# KiCad board Mu-cyberdeck-carrier.kicad_pcb
title: Cyberdeck Carrier for LattePanda Mu; date: 2025-02-12; rev: V1.0.0; note: 20250212
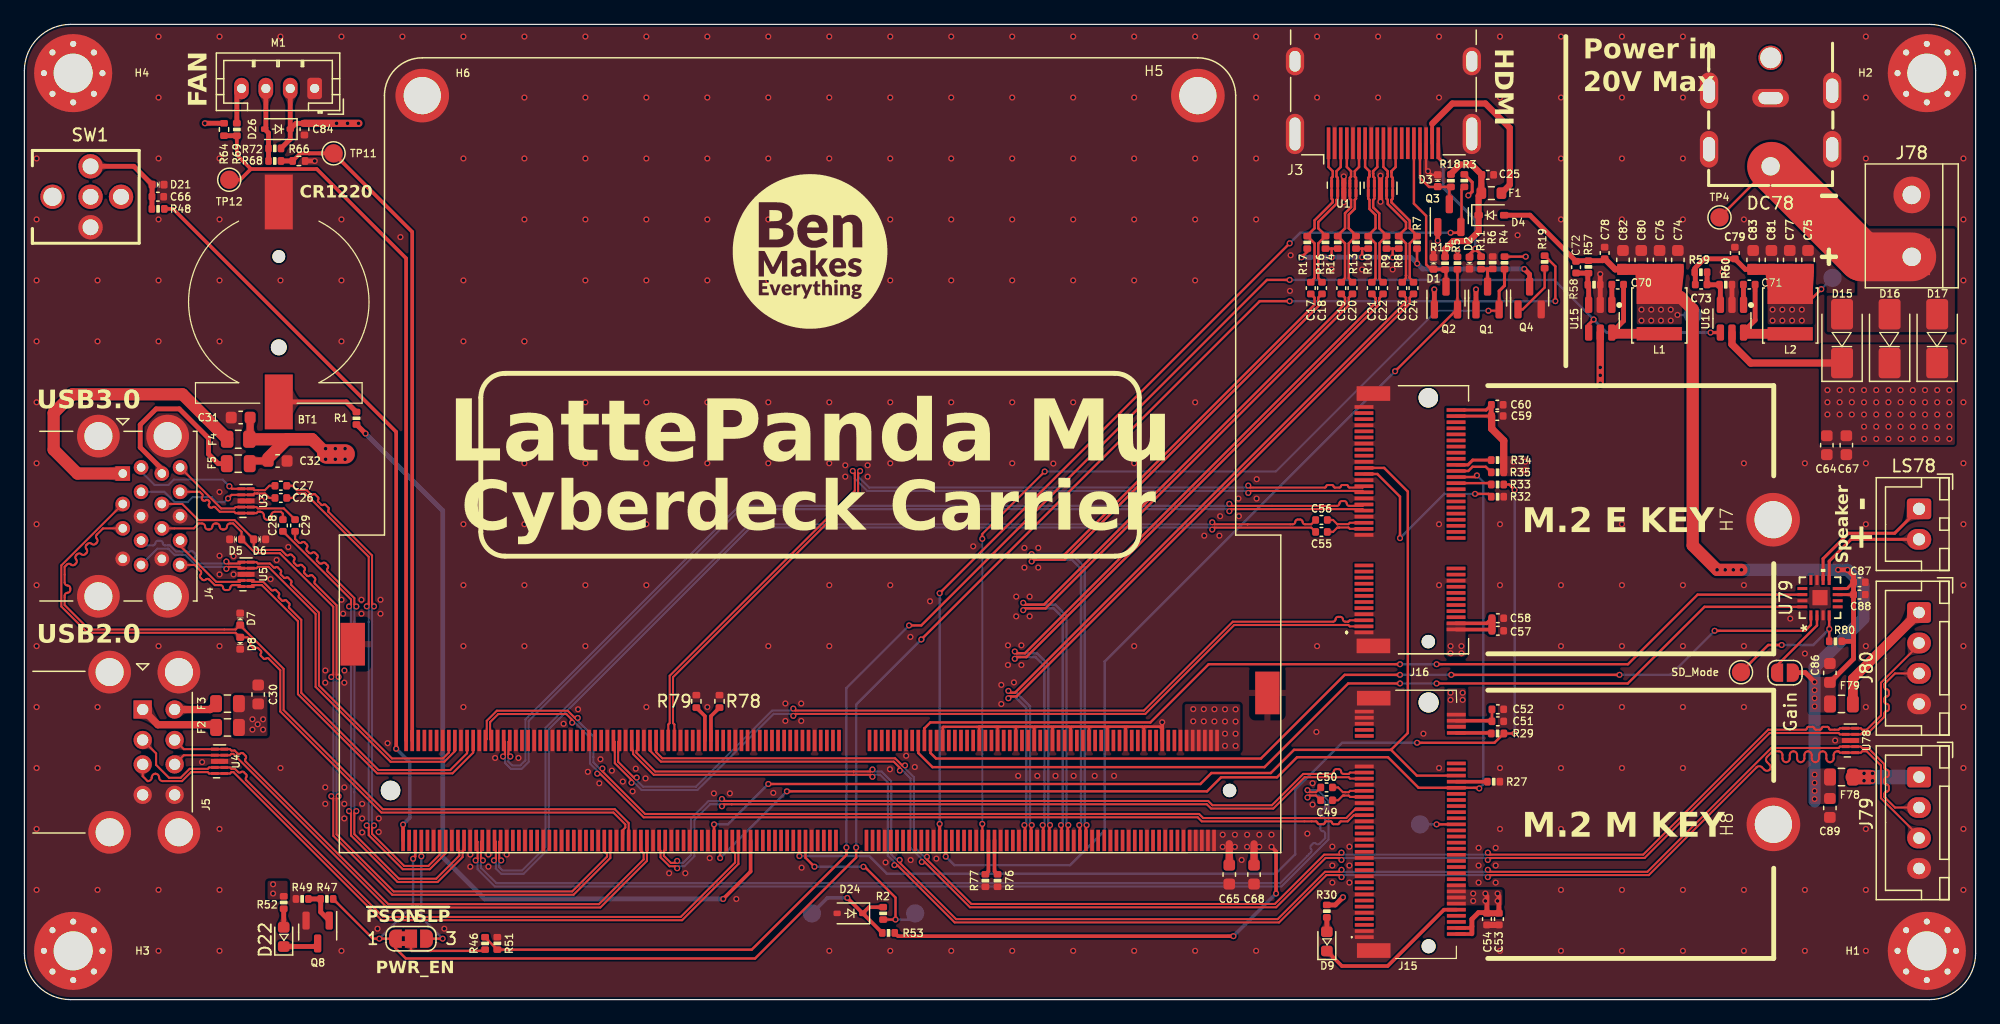
[diagram p0: board, top side]
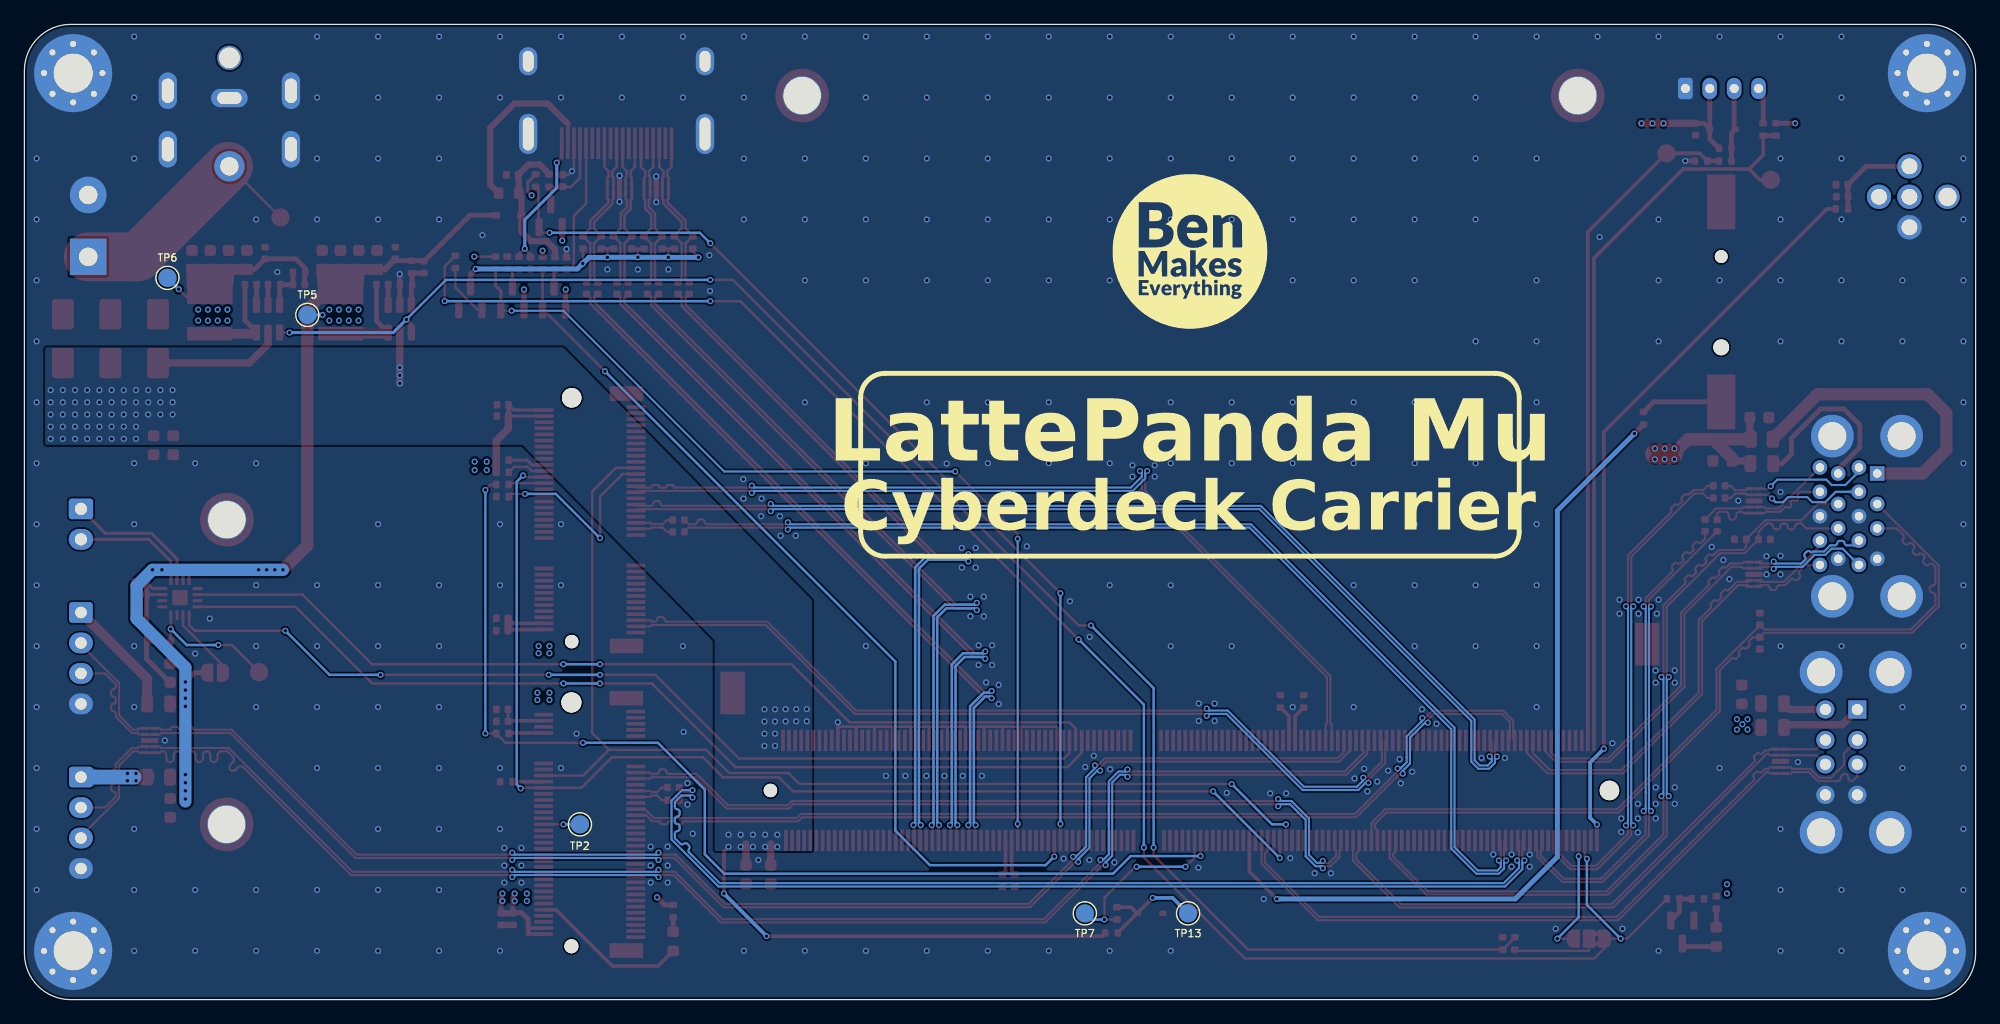
[diagram p1: board, bottom side, seen from below]

Outline 160 x 80 mm; copper layers: Top, In1.GND (plane), In2.PWR (plane), Bottom. Coordinates in mm from the lower left corner of the outline.
Outline path: 0,76.2 arc(1.11,78.89) 3.8,80 156.2,80 arc(158.89,78.89) 160,76.2 160,3.8 arc(158.89,1.11) 156.2,0 3.8,0 arc(1.11,1.11) 0,3.8 0,76.2
Stack: Top 0.035mm / dielectric 0.2104mm FR4 er 4.5 / In1.GND 0.0152mm / dielectric 1.065mm FR4 er 4.5 / In2.PWR 0.0152mm / dielectric 0.2104mm FR4 er 4.5 / Bottom 0.035mm

## Placement (name value [footprint] x y rotation side)
A1  LattePanda_Mu  [LattePanda_Module_H8.0mm_Horizontal]  64.43 17.16 180 top
BT1  Battery_Cell  [Battery_Holder_CR1220_S8411-45R]  20.86 57.23 0 top
C17  100nF/50V  [C_0402_1005Metric]  105.49 58.37 90 top
C18  100nF/50V  [C_0402_1005Metric]  106.41 58.37 90 top
C19  100nF/50V  [C_0402_1005Metric]  107.99 58.37 90 top
C20  100nF/50V  [C_0402_1005Metric]  108.91 58.37 90 top
C21  100nF/50V  [C_0402_1005Metric]  110.49 58.37 90 top
C22  100nF/50V  [C_0402_1005Metric]  111.41 58.37 90 top
C23  100nF/50V  [C_0402_1005Metric]  112.98 58.37 90 top
C24  100nF/50V  [C_0402_1005Metric]  113.9 58.37 90 top
C25  100nF/50V  [C_0402_1005Metric]  120 67.66 0 top
C26  100nF/50V  [C_0402_1005Metric]  21.03 41.15 180 top
C27  100nF/50V  [C_0402_1005Metric]  21.03 42.15 180 top
C28  100nF/50V  [C_0402_1005Metric]  21.2 38.89 90 top
C29  100nF/50V  [C_0402_1005Metric]  22.2 38.89 90 top
C30  22uF/10V  [C_0603_1608Metric]  19.17 25.03 270 top
C31  22uF/10V  [C_0603_1608Metric]  17.74 47.75 0 top
C32  22uF/10V  [C_0603_1608Metric]  20.76 44.19 180 top
C49  220nF/50V  [C_0402_1005Metric]  106.78 17.41 0 top
C50  220nF/50V  [C_0402_1005Metric]  106.78 16.35 0 top
C51  10uF/10V  [C_0402_1005Metric]  120.82 22.83 180 top
C52  100nF/50V  [C_0402_1005Metric]  120.82 23.82 180 top
C53  10uF/10V  [C_0402_1005Metric]  120.91 6.61 90 top
C54  100nF/50V  [C_0402_1005Metric]  119.93 6.61 90 top
C55  220nF/50V  [C_0402_1005Metric]  106.36 38.37 0 top
C56  220nF/50V  [C_0402_1005Metric]  106.36 39.35 0 top
C57  10uF/10V  [C_0402_1005Metric]  120.82 30.26 180 top
C58  100nF/50V  [C_0402_1005Metric]  120.82 31.29 180 top
C59  10uF/10V  [C_0402_1005Metric]  120.78 47.88 180 top
C60  100nF/50V  [C_0402_1005Metric]  120.78 48.8 180 top
C64  22uF/10V  [C_0603_1608Metric]  147.8 45.48 90 top
C65  22uF/10V  [C_0603_1608Metric]  98.8 10.26 90 top
C66  1uF/16V  [C_0402_1005Metric]  10.94 65.86 0 top
C67  22uF/10V  [C_0603_1608Metric]  149.4 45.48 90 top
C68  22uF/10V  [C_0603_1608Metric]  100.83 10.26 90 top
C70  100nF/50V  [C_0402_1005Metric]  130.65 58.66 180 top
C71  100nF/50V  [C_0402_1005Metric]  141.44 58.66 180 top
C72  12pF/50V  [C_0402_1005Metric]  127.24 60.08 270 top
C73  12pF/50V  [C_0402_1005Metric]  137.49 58.66 0 top
C74  22uF/10V  [C_0603_1608Metric]  135.58 60.68 270 top
C75  22uF/10V  [C_0603_1608Metric]  146.26 60.68 270 top
C76  22uF/10V  [C_0603_1608Metric]  134.08 60.68 270 top
C77  22uF/10V  [C_0603_1608Metric]  144.76 60.68 270 top
C78  100nF/50V  [C_0402_1005Metric]  129.58 61.25 90 top
C79  100nF/50V  [C_0402_1005Metric]  140.26 61.25 90 top
C80  22uF/10V  [C_0603_1608Metric]  132.58 60.68 270 top
C81  22uF/10V  [C_0603_1608Metric]  143.26 60.68 270 top
C82  22uF/10V  [C_0603_1608Metric]  131.08 60.68 270 top
C83  22uF/10V  [C_0603_1608Metric]  141.76 60.68 270 top
C84  100nF/50V  [C_0402_1005Metric]  22.96 71.4 270 top
C86  22uF/10V  [C_0603_1608Metric]  148.05 26.8 270 top
C87  10uF  [C_0402_1005Metric]  150.47 34.24 0 top
C88  100nF  [C_0402_1005Metric]  150.47 33.22 0 top
C89  22uF/10V  [C_0603_1608Metric]  148.05 15.72 90 top
D1  ESD5V0B03  [D_0402_1005Metric]  115.55 60.41 270 top
D2  ESD5V0B03  [D_0402_1005Metric]  118.5 60.42 90 top
D3  ESD5V0B03  [D_0402_1005Metric]  115.9 67.18 270 top
D4  1N5819WS  [D_SOD-323]  120.3 64.35 0 top
D5  ESD5V0B03  [D_0402_1005Metric]  17.32 37.76 0 top
D6  ESD5V0B03  [D_0402_1005Metric]  19.29 37.76 180 top
D7  ESD5V0B03  [D_0402_1005Metric]  17.7 31.22 270 top
D8  ESD5V0B03  [D_0402_1005Metric]  17.7 29.23 90 top
D9  LED_G  [LED_0603_1608Metric]  106.8 4.78 90 top
D15  SS54  [D_SMA]  149.05 54.22 90 top
D16  SS54  [D_SMA]  152.95 54.22 90 top
D17  SS54  [D_SMA]  156.85 54.22 90 top
D21  ESD5V0B03  [D_0402_1005Metric]  10.96 66.86 180 top
D22  LED_G  [LED_0603_1608Metric]  21.26 5.14 90 top
D24  3V3 Izt=5mA  [D_SOD-323]  67.7 7.08 180 top
D26  1N5819WS  [D_SOD-323]  20.75 71.41 180 top
DC78  DC-042C-W-2.0  [DC-IN-TH_DC-042C-W-2.0]  143.19 71.46 270 top
F1  6V/50mA  [R_0603_1608Metric]  120.3 66.16 0 top
F2  6V/1A  [Fuse_0805_2012Metric]  16.66 22.33 180 top
F3  6V/1A  [Fuse_0805_2012Metric]  16.65 24.28 180 top
F4  6V/2A  [R_0805_2012Metric]  17.54 45.97 180 top
F5  6V/2A  [Fuse_0805_2012Metric]  17.54 43.97 180 top
F78  6V/1A  [Fuse_0805_2012Metric]  149 18.26 0 top
F79  6V/1A  [Fuse_0805_2012Metric]  149 24.26 0 top
G***  LOGO  [BME_12_7mm]  64.43 61.37 0 top
G***#2  LOGO  [BME_12_7mm]  64.43 61.37 180 bottom
Gain  SolderJumper_2_Open  [SolderJumper-2_P1.3mm_Open_RoundedPad1.0x1.5mm]  144.37 26.82 180 top
H1  MountingHole_Pad  [MountingHole_3.2mm_M3_Pad_Via]  156 4 0 top
H2  MountingHole_Pad  [MountingHole_3.2mm_M3_Pad_Via]  156 76 0 top
H3  MountingHole_Pad  [MountingHole_3.2mm_M3_Pad_Via]  4 4 0 top
H4  MountingHole_Pad  [MountingHole_3.2mm_M3_Pad_Via]  4 76 0 top
H5  MountingHole_Pad  [MountingHole_3mm_M2_Pad_TopOnly]  96.23 74.16 180 top
H6  MountingHole_Pad  [MountingHole_3mm_M2_Pad_TopOnly]  32.63 74.16 180 top
H7  MountingHole_M2.0  [MountingHole_3mm_M2_Pad_TopOnly]  143.4 39.37 90 top
H8  MountingHole_M2.0  [MountingHole_3mm_M2_Pad_TopOnly]  143.42 14.38 90 top
J3  HDMI_A  [HDMI_A_Molex_208658-1001_Horizontal]  111.44 73.54 90 top
J4  USB3_A_Stacked  [USB3_A_Molex_48406-0001_Horizontal_Stacked]  8.07 43.16 270 top
J5  USB_A_Stacked  [USB_A_CUI_UJ2-ADH-TH_Horizontal_Stacked]  9.7 23.8 0 top
J15  Bus_M.2_Socket_M  [PCIe_M.2_Connectors_P=0.5mm_H=4.2mm_KeyM]  113.45 14.38 90 top
J16  Bus_M.2_Socket_E  [PCIe_M.2_Connectors_P=0.5mm_H=4.2mm_KeyE]  109.85 30.12 90 top
J78  Screw_Terminal_01x02  [TerminalBlock_bornier-2_P5.08mm]  154.77 60.93 90 top
J79  Conn_01x04_Socket  [JST_XH_B4B-XH-A_1x04_P2.50mm_Vertical]  155.36 18.26 270 top
J80  Conn_01x04_Socket  [JST_XH_B4B-XH-A_1x04_P2.50mm_Vertical]  155.36 31.76 270 top
JP79  SolderJumper_3_Open  [SolderJumper-3_P1.3mm_Bridged2Bar12_RoundedPad1.0x1.5mm_NumberLabels]  31.7 5 0 top
L1  2.2uH/4.3A  [L_Sunlord_SWPA4020S]  134.06 56.12 90 top
L2  2.2uH/4.3A  [L_Sunlord_SWPA4020S]  144.8 56.12 90 top
LS78  Speaker  [JST_XH_B2B-XH-A_1x02_P2.50mm_Vertical]  155.36 40.26 270 top
M1  Fan_4pin  [JST_PH_B4B-PH-K_1x04_P2.00mm_Vertical]  23.8 74.74 180 top
Q1  2N7002  [SOT-23]  119.98 57.55 90 top
Q2  2SK3018  [SOT-23]  116.57 57.55 90 top
Q3  2SK3018  [SOT-23]  116.85 64.31 90 top
Q4  2SK3018  [SOT-23]  123.43 57.56 90 top
Q8  2N7002  [SOT-23]  24.05 5.54 270 top
R1  1K/1%  [R_0402_1005Metric]  27.23 47.69 90 top
R2  10K/1%  [R_0402_1005Metric]  70.42 7.08 90 top
R3  2.2K/1%  [R_0402_1005Metric]  118.08 67.18 270 top
R4  1M/1%  [R_0402_1005Metric]  121.37 60.44 270 top
R5  2.2K/1%  [R_0402_1005Metric]  117.51 60.42 270 top
R6  21.5K/1%  [R_0402_1005Metric]  120.4 60.45 90 top
R7  470R/1%  [R_0402_1005Metric]  114.2 62.12 270 top
R8  470R/1%  [R_0402_1005Metric]  112.7 62.12 270 top
R9  470R/1%  [R_0402_1005Metric]  111.7 62.12 270 top
R10  470R/1%  [R_0402_1005Metric]  110.2 62.12 270 top
R11  1K/1%  [R_0402_1005Metric]  119.45 60.43 90 top
R13  470R/1%  [R_0402_1005Metric]  109.2 62.12 270 top
R14  470R/1%  [R_0402_1005Metric]  107.7 62.12 270 top
R15  2.2K/1%  [R_0402_1005Metric]  116.5 60.41 270 top
R16  470R/1%  [R_0402_1005Metric]  106.7 62.12 270 top
R17  470R/1%  [R_0402_1005Metric]  105.2 62.12 270 top
R18  2.2K/1%  [R_0402_1005Metric]  116.98 67.18 270 top
R19  2.2K/1%  [R_0402_1005Metric]  124.66 60.52 270 top
R27  0R/1%  [R_0402_1005Metric]  120.48 17.88 0 top
R29  0R/1%  [R_0402_1005Metric]  120.8 21.83 0 top
R30  2.2K/1%  [R_0402_1005Metric]  106.8 7.26 90 top
R32  0R/1%  [R_0402_1005Metric]  120.8 41.26 0 top
R33  0R/1%  [R_0402_1005Metric]  120.8 42.26 0 top
R34  10K/1%  [R_0402_1005Metric]  120.8 44.26 0 top
R35  10K/1%  [R_0402_1005Metric]  120.8 43.26 180 top
R46  100R/1%  [R_0402_1005Metric]  37.78 4.61 90 top
R47  1K/1%  [R_0402_1005Metric]  24.81 8.26 180 top
R48  100R/1%  [R_0402_1005Metric]  10.96 64.87 0 top
R49  10K/1%  [R_0402_1005Metric]  22.78 8.26 0 top
R51  100K/1%  [R_0402_1005Metric]  38.78 4.61 270 top
R52  2.2K/1%  [R_0402_1005Metric]  21.26 7.96 90 top
R53  2.2K/1%  [R_0402_1005Metric]  70.86 5.47 180 top
R57  75K/1%  [R_0402_1005Metric]  128.25 60.1 90 top
R58  10K/1%  [R_0402_1005Metric]  128.71 58.65 180 top
R59  21.5K/1%  [R_0402_1005Metric]  137.47 59.67 180 top
R60  4.7K/1%  [R_0402_1005Metric]  139.51 58.65 180 top
R64  4.7K/1%  [R_0402_1005Metric]  16.37 71.38 270 top
R66  21.5K/1%  [R_0402_1005Metric]  22.51 68.8 0 top
R68  21.5K/1%  [R_0402_1005Metric]  20.53 68.8 0 top
R69  100R/1%  [R_0402_1005Metric]  17.42 71.38 90 top
R72  4.7K/1%  [R_0402_1005Metric]  20.53 69.83 180 top
R76  100K/1%  [R_0402_1005Metric]  79.8 9.77 270 top
R77  100K/1%  [R_0402_1005Metric]  78.8 9.77 270 top
R78  10K/1%  [R_0402_1005Metric]  57 24.47 90 top
R79  10K/1%  [R_0402_1005Metric]  55.1 24.47 90 top
R80  1M  [R_0402_1005Metric]  148.51 29.39 180 top
SD_Mode  TestPoint  [TestPoint_Pad_D1.5mm]  140.76 26.86 0 top
SW1  SW_Push  [SW-TH_TM-007-D1-A-03]  6.68 65.86 270 top
TP2  TestPoint  [TestPoint_Pad_D1.5mm]  114.45 14.38 90 bottom
TP4  TestPoint  [TestPoint_Pad_D1.5mm]  139 64.17 0 top
TP5  TestPoint  [TestPoint_Pad_D1.5mm]  136.8 56.17 180 bottom
TP6  TestPoint  [TestPoint_Pad_D1.5mm]  148.27 59.21 180 bottom
TP7  TestPoint  [TestPoint_Pad_D1.5mm]  73.04 7.08 0 bottom
TP11  TestPoint  [TestPoint_Pad_D1.5mm]  25.35 69.42 0 top
TP12  TestPoint  [TestPoint_Pad_D1.5mm]  16.8 67.26 0 top
TP13  TestPoint  [TestPoint_Pad_D1.5mm]  64.58 7.08 0 bottom
U1  TPAZ1023-04F  [Diodes_UDFN-10_1.0x2.5mm_P0.5mm]  108.19 66.56 90 top
U2  TPAZ1023-04F  [Diodes_UDFN-10_1.0x2.5mm_P0.5mm]  111.2 66.56 90 top
U3  ULC0524P  [Diodes_UDFN-10_1.0x2.5mm_P0.5mm]  18.18 40.91 180 top
U4  ULC0524P  [Diodes_UDFN-10_1.0x2.5mm_P0.5mm]  16.01 19.55 180 top
U5  ULC0524P  [Diodes_UDFN-10_1.0x2.5mm_P0.5mm]  18.18 34.89 180 top
U15  SY8253ADC  [TSOT-23-6]  129.22 55.86 270 top
U16  SY8253ADC  [TSOT-23-6]  140.02 55.86 270 top
U78  ULC0524P  [Diodes_UDFN-10_1.0x2.5mm_P0.5mm]  149.73 21.26 180 top
U79  MAX98357AETE+T  [21-0136I_T1633-4_MXM]  147.24 32.97 90 top

## Library data of the parts
A1 = -: Description: A micro computing module with x86 processer, RAM and eMMC.; LCSC Part: C2761395; ki_fp_filters: *LattePanda*
BT1 = -: Buy_Link: https://item.szlcsc.com/1049689.html; DF_Comment: CR1220电池底座_BS-12-B3AA003; LCSC Part: C964723
C17-C29 C49-C60 C66 C70 C71 C78 C79 C84 = -: DF_Comment: 贴片电容0402-10UF-10V-X5R_GRM155R61A106ME44D; SCH_Show_Footprint: C0402; ki_fp_filters: C_*
C30-C32 C64 C65 C67 C68 C74-C77 C80-C83 C86 C89 = -: DF_Comment: 贴片电容0603-22uF-10V-X5R(0603); SCH_Show_Footprint: C603; ki_fp_filters: C_*
C72 C73 = -: SCH_Show_Footprint: C0402; ki_fp_filters: C_*
C87 C88 = -: Description: Unpolarized capacitor; ki_fp_filters: C_*
D1-D3 D5-D8 D21 = -: Datasheet: https://www.onsemi.com/pub/Collateral/ESD9B-D.PDF; Buy_Link: https://item.szlcsc.com/539388.html; DF_Comment: 双向静电保护二极管_ESD5V0B03-1006_DFN1006; SCH_Show_Footprint: D0402; LCSC Part: C521894; ki_fp_filters: D*SOD?923*
D4 D26 = -: Datasheet: https://datasheet.lcsc.com/lcsc/2204281430_Guangdong-Hottech-1N5819WS_C191023.pdf; SCH_Show_Footprint: SOD-323; LCSC Part: C191023; ki_fp_filters: D*SOD?323*
D9 D22 = -: SCH_Show_Footprint: LED0603; ki_fp_filters: LED* LED_SMD:* LED_THT:*
D15-D17 = -: SCH_Show_Footprint: SMA; LCSC Part: C5200096; ki_fp_filters: TO-???* *_Diode_* *SingleDiode* D_*
D24 = -: Description: Schottky diode; LCSC Part: SOD-323; ki_fp_filters: TO-???* *_Diode_* *SingleDiode* D_*
DC78 = -: Datasheet: https://lcsc.com/product-detail/New-Arrivals_XKB-Enterprise-DC-042C-W-2-0_C381108.html; LCSC Part: C381108
F1 = -: Buy_Link: https://item.szlcsc.com/8530937.html; DF_Comment: 0603贴片自恢复保险丝0.05A/6V-0603L005/6AR; SCH_Show_Footprint: R0805; LCSC Part: C7472508; ki_fp_filters: *Fuse*
F2 F3 F78 F79 = -: DF_Comment: 0805贴片自恢复保险丝1A/6V-BSMD0805-100-6V; SCH_Show_Footprint: R0603; LCSC Part: C883108; ki_fp_filters: *Fuse*
F4 = -: Description: BSMD0805-100-6V; Buy_Link: https://item.szlcsc.com/947787.html; DF_Comment: 0805贴片自恢复保险丝2A/6V-BSMD0805L-200; SCH_Show_Footprint: R0805; LCSC Part: C883112; ki_fp_filters: *Fuse*
F5 = -: DF_Comment: 0805贴片自恢复保险丝1A/6V-BSMD0805-100-6V; SCH_Show_Footprint: R0805; LCSC Part: C883108; ki_fp_filters: *Fuse*
Gain = -: Description: Solder Jumper, 2-pole, open; ki_fp_filters: SolderJumper*Open*
H1-H4 = -: ki_fp_filters: MountingHole*Pad*
H5 H6 = -: LCSC Part: C5301799; ki_fp_filters: MountingHole*Pad*
H7 H8 = -: Description: YIYUAN SMTWEM225STR; LCSC Part: C5301801; ki_fp_filters: MountingHole*Pad*
J3 = -: Datasheet: https://en.wikipedia.org/wiki/HDMI; DF_Comment: 直插式HDMI母座-19Pin(19PIN); LCSC Part: C2906135; ki_fp_filters: HDMI*A*
J4 = -: Buy_Link: https://item.szlcsc.com/3132965.html; DF_Comment: 双层USB3.0 A母座_USB-303WSD-BRY; LCSC Part: C2895028; ki_fp_filters: USB3?A*Stacked*
J5 = -: DF_Comment: USB2.0-A型双层白胶母座; LCSC Part: C7527675; ki_fp_filters: USB*
J15 = -: Datasheet: http://read.pudn.com/downloads794/doc/project/3133918/PCIe_M.2_Electromechanical_Spec_Rev1.0_Final_11012013_RS_Clean.pdf#page=155; Buy_Link: https://item.szlcsc.com/8568582.html; DF_Comment: M.2连接器KEY-M_H4.2mm-67P_APCI0107-P001A; LCSC Part: C7498140; ki_fp_filters: *M*2*M*
J16 = -: Datasheet: http://read.pudn.com/downloads794/doc/project/3133918/PCIe_M.2_Electromechanical_Spec_Rev1.0_Final_11012013_RS_Clean.pdf#page=150; Buy_Link: https://item.szlcsc.com/8568583.html; DF_Comment: M.2连接器KEY-E_H4.2mm-67P_APCI0108-P001A; LCSC Part: C7498141; ki_fp_filters: *M*2*E*
J78 = -: Description: JILN JL126-50002G01; LCSC Part: C394556; ki_fp_filters: TerminalBlock*:*
J79 J80 = -: Description: Generic connector, single row, 01x04, script generated; LCSC Part: C144395; ki_fp_filters: Connector*:*_1x??_*
JP79 = -: Description: Solder Jumper, 3-pole, open; ki_fp_filters: SolderJumper*Open*
L1 L2 = -: DF_Comment: 贴片屏蔽电感2.2uH_4.0*4.0*2.0_4.3A; LCSC Part: C3222957; ki_fp_filters: Choke_* *Coil* Inductor_* L_*
LS78 = -: LCSC Part: C495685
M1 = -: Datasheet: http://www.formfactors.org/developer%5Cspecs%5Crev1_2_public.pdf; Description: B4B-PH-K-S(LF)(SN); LCSC Part: C131334; ki_fp_filters: FanPinHeader*P2.54mm*Vertical* PinHeader*P2.54mm*Vertical* TerminalBlock*
Q1-Q4 Q8 = -: Datasheet: https://www.onsemi.com/pub/Collateral/NDS7002A-D.PDF; Buy_Link: https://item.szlcsc.com/774253.html; DF_Comment: NMOS_2SK3018_SOT-23; LCSC Part: C727148; ki_fp_filters: SOT?23*
R1-R11 R13-R19 R27 R29 R30 R32-R35 R46-R49 R51-R53 R58-R60 R68 R69 R72 R76 R77 = -: DF_Comment: 贴片电阻0402-10K-1%; ki_fp_filters: R_*
R57 R64 R66 = -: ki_fp_filters: R_*
R78-R80 = -: Description: Resistor; ki_fp_filters: R_*
SD_Mode TP4-TP7 TP11-TP13 = -: Description: test point; ki_fp_filters: Pin* Test*
SW1 = -: Description: Korean Hroparts Elec K6-6277D-04; LCSC Part: C5184999
TP2 = -: ki_fp_filters: Pin* Test*
U1-U5 U78 = -: Datasheet: https://www.diodes.com/assets/Datasheets/D3V3XA4B10LP.pdf; DF_Comment: ESD静电保护IC-BV-ULC0524P-DFN2510-10L; LCSC Part: C1980462; ki_fp_filters: Diodes*UDFN*1.0x2.5mm*P0.5mm*
U15 U16 = -: Datasheet: https://atta.szlcsc.com/upload/public/pdf/source/20180625/C93736_E75EC6FD4320D65590D2D5BF0D8B8959.pdf; Buy_Link: https://item.szlcsc.com/94934.html; DF_Comment: Buck IC-SY8253ADC-TSOT-23-6; LCSC Part: C93736; ki_fp_filters: TSOT?23*
U79 = -: LCSC Part: C910544; ki_fp_filters: 21-0136I_T1633-4_MXM 21-0136I_T1633-4_MXM-M 21-0136I_T1633-4_MXM-L

## Footprints (pads in the part's own frame, mm; a bottom-side part is the same pattern mirrored in y, then rotated)
21-0136I_T1633-4_MXM
  rect 0.813x0.254 smd: 1(-1.448,0.75) 2(-1.448,0.25) 3(-1.448,-0.25) 4(-1.448,-0.75) 9(1.448,-0.75) 10(1.448,-0.25) 11(1.448,0.25) 12(1.448,0.75)
  rect 0.254x0.813 smd: 5(-0.75,-1.448) 6(-0.25,-1.448) 7(0.25,-1.448) 8(0.75,-1.448) 13(0.75,1.448) 14(0.25,1.448) 15(-0.25,1.448) 16(-0.75,1.448)
  rect 1.245x1.245 smd: 17(0,0)
Battery_Holder_CR1220_S8411-45R
  round 1.05 hole 1.05 unplated: (0,3.725)
  round 1.3 hole 1.3 unplated: (0,-3.725)
  rect 2.3x4.5 smd: 1(0,-8.2) 2(0,8.2)
C_0402_1005Metric
  rrect 0.56x0.62 smd: 1(-0.48,0) 2(0.48,0)
C_0603_1608Metric
  rrect 0.9x0.95 smd: 1(-0.775,0) 2(0.775,0)
D_0402_1005Metric
  rrect 0.59x0.64 smd: 1(-0.485,0) 2(0.485,0)
D_SMA
  rrect 2.5x1.8 smd: 1(-2,0) 2(2,0)
D_SOD-323
  rrect 0.6x0.45 smd: 1(-1.05,0) 2(1.05,0)
DC-IN-TH_DC-042C-W-2.0
  round 2 hole 1.7: (-5.8,0)
  oval 3x1.5 hole 2x1: 2(-3.1,5.05) 2(-3.1,-5.05) 2(1.7,5.05) 2(1.7,-5.05)
  oval 1.5x3 hole 1x2: 3(-2.5,0)
  round 2.5 hole 1.5: 4(3.1,0)
Diodes_UDFN-10_1.0x2.5mm_P0.5mm
  rect 0.625x0.25 smd: 1(-0.388,1) 2(-0.388,0.5) 4(-0.388,-0.5) 5(-0.388,-1) 6(0.388,-1) 7(0.388,-0.5) 9(0.388,0.5) 10(0.388,1)
  rect 0.7x0.4 smd: 3(-0.35,0)
  rect 0.575x0.4 smd: 8(0.412,0)
Fuse_0805_2012Metric
  rrect 0.975x1.4 smd: 1(-0.938,0) 2(0.938,0)
HDMI_A_Molex_208658-1001_Horizontal
  rect 2.6x0.3 smd: 1(-3.285,4.5) 2(-3.285,4) 3(-3.285,3.5) 4(-3.285,3) 5(-3.285,2.5) 6(-3.285,2) 7(-3.285,1.5) 8(-3.285,1) 9(-3.285,0.5) 10(-3.285,0) 11(-3.285,-0.5) 12(-3.285,-1) 13(-3.285,-1.5) 14(-3.285,-2) 15(-3.285,-2.5) 16(-3.285,-3) 17(-3.285,-3.5) 18(-3.285,-4) 19(-3.285,-4.5)
  oval 3.3x1.5 hole 2.7x0.9: SH(-2.525,7.25) SH(-2.525,-7.25)
  oval 2.3x1.5 hole 1.7x0.9: SH(3.435,7.25) SH(3.435,-7.25)
JST_PH_B4B-PH-K_1x04_P2.00mm_Vertical
  rrect 1.2x1.75 hole 0.75: 1(0,0)
  oval 1.2x1.75 hole 0.75: 2(2,0) 3(4,0) 4(6,0)
JST_XH_B2B-XH-A_1x02_P2.50mm_Vertical
  rrect 1.7x2 hole 1: 1(0,0)
  oval 1.7x2 hole 1: 2(2.5,0)
JST_XH_B4B-XH-A_1x04_P2.50mm_Vertical
  rrect 1.7x1.95 hole 0.95: 1(0,0)
  oval 1.7x1.95 hole 0.95: 2(2.5,0) 3(5,0) 4(7.5,0)
L_Sunlord_SWPA4020S
  rect 1.1x3.7 smd: 1(-1.5,0) 2(1.5,0)
LattePanda_Module_H8.0mm_Horizontal
  round 1.1 hole 1.1 unplated: (-34.4,0)
  round 1.6 hole 1.6 unplated: (34.4,0)
  rect 0.3x1.75 smd: 1(33.375,4.1) 2(33.125,-4.1) 3(32.875,4.1) 4(32.625,-4.1) 5(32.375,4.1) 6(32.125,-4.1) 7(31.875,4.1) 8(31.625,-4.1) 9(31.375,4.1) 10(31.125,-4.1) 11(30.875,4.1) 12(30.625,-4.1) 13(30.375,4.1) 14(30.125,-4.1) 15(29.875,4.1) 16(29.625,-4.1) 17(29.375,4.1) 18(29.125,-4.1) 19(28.875,4.1) 20(28.625,-4.1) 21(28.375,4.1) 22(28.125,-4.1) 23(27.875,4.1) 24(27.625,-4.1) 25(27.375,4.1) 26(27.125,-4.1) 27(26.875,4.1) 28(26.625,-4.1) 29(26.375,4.1) 30(26.125,-4.1) 31(25.875,4.1) 32(25.625,-4.1) 33(25.375,4.1) 34(25.125,-4.1) 35(24.875,4.1) 36(24.625,-4.1) 37(24.375,4.1) 38(24.125,-4.1) 39(23.875,4.1) 40(23.625,-4.1) 41(23.375,4.1) 42(23.125,-4.1) 43(22.875,4.1) 44(22.625,-4.1) 45(22.375,4.1) 46(22.125,-4.1) 47(21.875,4.1) 48(21.625,-4.1) 49(21.375,4.1) 50(21.125,-4.1) 51(20.875,4.1) 52(20.625,-4.1) 53(20.375,4.1) 54(20.125,-4.1) 55(19.875,4.1) 56(19.625,-4.1) 57(19.375,4.1) 58(19.125,-4.1) 59(18.875,4.1) 60(18.625,-4.1) 61(18.375,4.1) 62(18.125,-4.1) 63(17.875,4.1) 64(17.625,-4.1) 65(17.375,4.1) 66(17.125,-4.1) 67(16.875,4.1) 68(16.625,-4.1) 69(16.375,4.1) 70(16.125,-4.1) 71(15.875,4.1) 72(15.625,-4.1) 73(15.375,4.1) 74(15.125,-4.1) 75(14.875,4.1) 76(14.625,-4.1) 77(14.375,4.1) 78(14.125,-4.1) 79(13.875,4.1) 80(13.625,-4.1) 81(13.375,4.1) 82(13.125,-4.1) 83(12.875,4.1) 84(12.625,-4.1) 85(12.375,4.1) 86(12.125,-4.1) 87(11.875,4.1) 88(11.625,-4.1) 89(11.375,4.1) 90(11.125,-4.1) 91(10.875,4.1) 92(10.625,-4.1) 93(10.375,4.1) 94(10.125,-4.1) 95(9.875,4.1) 96(9.625,-4.1) 97(9.375,4.1) 98(9.125,-4.1) 99(8.875,4.1) 100(8.625,-4.1) 101(8.375,4.1) 102(8.125,-4.1) 103(7.875,4.1) 104(7.625,-4.1) 105(7.375,4.1) 106(7.125,-4.1) 107(6.875,4.1) 108(6.625,-4.1) 109(6.375,4.1) 110(6.125,-4.1) 111(5.875,4.1) 112(5.625,-4.1) 113(5.375,4.1) 114(5.125,-4.1) 115(4.875,4.1) 116(4.625,-4.1) 117(4.375,4.1) 118(4.125,-4.1) 119(3.875,4.1) 120(3.625,-4.1) 121(3.375,4.1) 122(3.125,-4.1) 123(2.875,4.1) 124(2.625,-4.1) 125(2.375,4.1) 126(2.125,-4.1) 127(1.875,4.1) 128(1.625,-4.1) 129(1.375,4.1) 130(1.125,-4.1) 131(0.875,4.1) 132(0.625,-4.1) 133(0.375,4.1) 134(0.125,-4.1) 135(-0.125,4.1) 136(-0.375,-4.1) 137(-0.625,4.1) 138(-0.875,-4.1) 139(-1.125,4.1) 140(-1.375,-4.1) 141(-1.625,4.1) 142(-1.875,-4.1) 143(-2.125,4.1) 144(-2.375,-4.1) 145(-4.625,4.1) 146(-4.875,-4.1) 147(-5.125,4.1) 148(-5.375,-4.1) 149(-5.625,4.1) 150(-5.875,-4.1) 151(-6.125,4.1) 152(-6.375,-4.1) 153(-6.625,4.1) 154(-6.875,-4.1) 155(-7.125,4.1) 156(-7.375,-4.1) 157(-7.625,4.1) 158(-7.875,-4.1) 159(-8.125,4.1) 160(-8.375,-4.1) 161(-8.625,4.1) 162(-8.875,-4.1) 163(-9.125,4.1) 164(-9.375,-4.1) 165(-9.625,4.1) 166(-9.875,-4.1) 167(-10.125,4.1) 168(-10.375,-4.1) 169(-10.625,4.1) 170(-10.875,-4.1) 171(-11.125,4.1) 172(-11.375,-4.1) 173(-11.625,4.1) 174(-11.875,-4.1) 175(-12.125,4.1) 176(-12.375,-4.1) 177(-12.625,4.1) 178(-12.875,-4.1) 179(-13.125,4.1) 180(-13.375,-4.1) 181(-13.625,4.1) 182(-13.875,-4.1) 183(-14.125,4.1) 184(-14.375,-4.1) 185(-14.625,4.1) 186(-14.875,-4.1) 187(-15.125,4.1) 188(-15.375,-4.1) 189(-15.625,4.1) 190(-15.875,-4.1) 191(-16.125,4.1) 192(-16.375,-4.1) 193(-16.625,4.1) 194(-16.875,-4.1) 195(-17.125,4.1) 196(-17.375,-4.1) 197(-17.625,4.1) 198(-17.875,-4.1) 199(-18.125,4.1) 200(-18.375,-4.1) 201(-18.625,4.1) 202(-18.875,-4.1) 203(-19.125,4.1) 204(-19.375,-4.1) 205(-19.625,4.1) 206(-19.875,-4.1) 207(-20.125,4.1) 208(-20.375,-4.1) 209(-20.625,4.1) 210(-20.875,-4.1) 211(-21.125,4.1) 212(-21.375,-4.1) 213(-21.625,4.1) 214(-21.875,-4.1) 215(-22.125,4.1) 216(-22.375,-4.1) 217(-22.625,4.1) 218(-22.875,-4.1) 219(-23.125,4.1) 220(-23.375,-4.1) 221(-23.625,4.1) 222(-23.875,-4.1) 223(-24.125,4.1) 224(-24.375,-4.1) 225(-24.625,4.1) 226(-24.875,-4.1) 227(-25.125,4.1) 228(-25.375,-4.1) 229(-25.625,4.1) 230(-25.875,-4.1) 231(-26.125,4.1) 232(-26.375,-4.1) 233(-26.625,4.1) 234(-26.875,-4.1) 235(-27.125,4.1) 236(-27.375,-4.1) 237(-27.625,4.1) 238(-27.875,-4.1) 239(-28.125,4.1) 240(-28.375,-4.1) 241(-28.625,4.1) 242(-28.875,-4.1) 243(-29.125,4.1) 244(-29.375,-4.1) 245(-29.625,4.1) 246(-29.875,-4.1) 247(-30.125,4.1) 248(-30.375,-4.1) 249(-30.625,4.1) 250(-30.875,-4.1) 251(-31.125,4.1) 252(-31.375,-4.1) 253(-31.625,4.1) 254(-31.875,-4.1) 255(-32.125,4.1) 256(-32.375,-4.1) 257(-32.625,4.1) 258(-32.875,-4.1) 259(-33.125,4.1) 260(-33.375,-4.1)